# EAGLE board Mk4 Final Panel 8up 4x2 (EAGLE 9.0.1), part 22 of 23
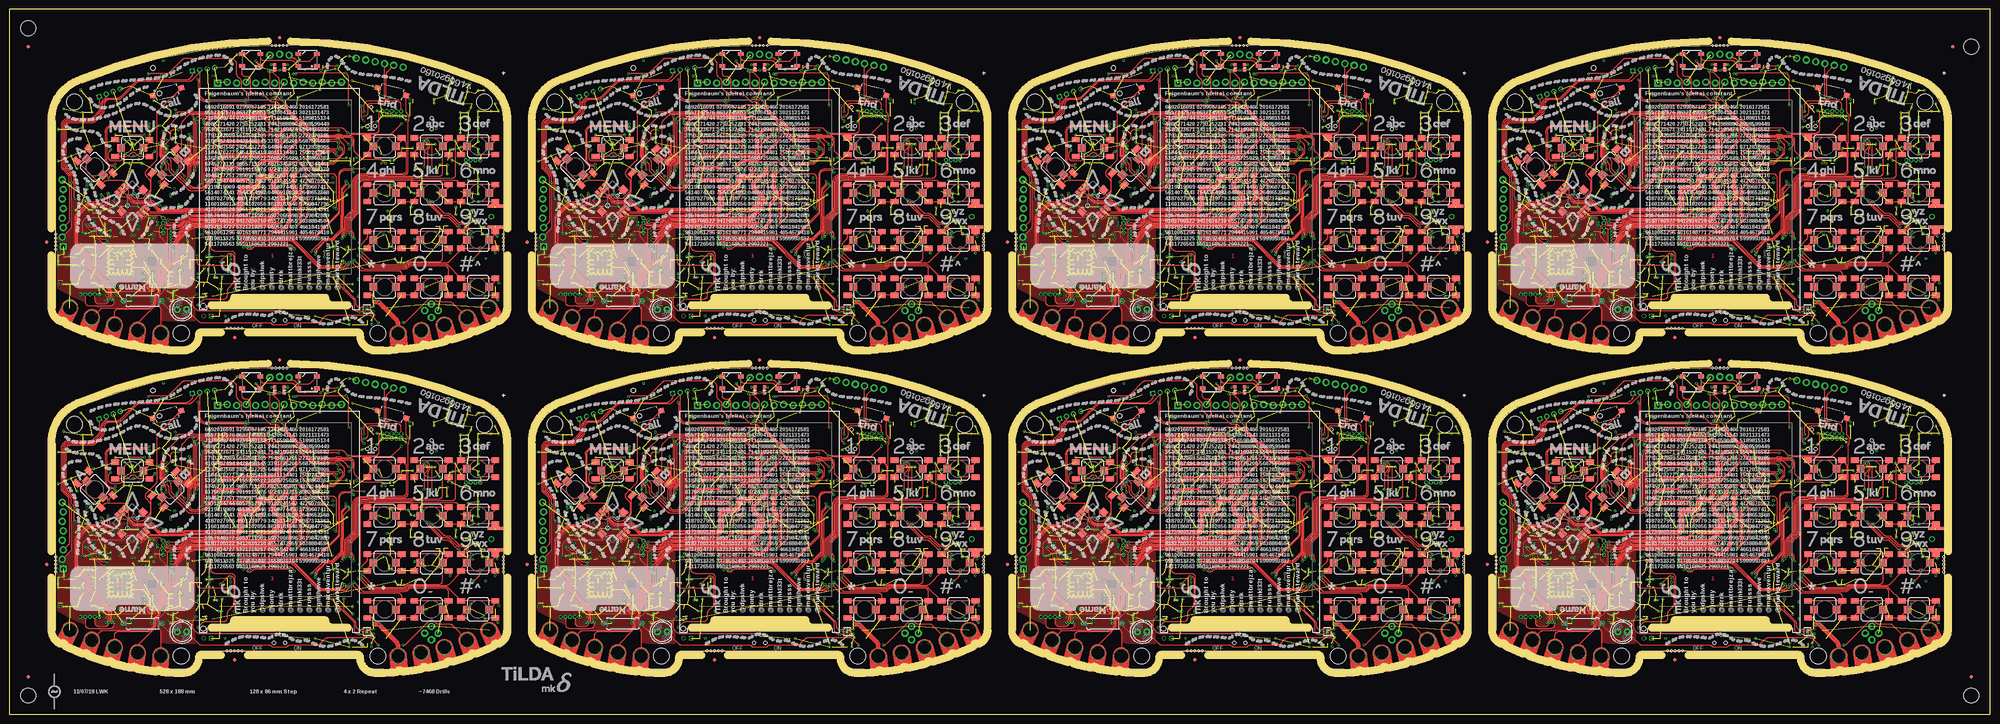
[diagram p0: board, top side]
## Tracks (layer width: path | path; a pad name or v marks a point on that pad's centre or on a via) (continued)
UART4_EXT_TX  (via drill 0.3) (continued)
  Bottom 0.15: v70.65,51.7 70.73,51.78 arc45 70.88,52.13 70.88,53.22 arc45 70.73,53.57 70.5,53.8 arc-45 70.35,54.16 70.35,55.34 arc-45 70.64,56.04 70.85,56.25 arc45 71,56.61 IC1.19 | v43.2,38.1 43.41,38.31 arc45 43.7,39.01 43.7,43.29 arc45 43.41,43.99 43.09,44.31 arc45 42.39,44.6 42.3,44.6 arc-90 41.8,45.1 41.8,45.5 arc-90 42.3,46 v42.4,46 | v20.7,55.8 20.91,55.59 arc45 21.61,55.3 32.43,55.3 arc-45 33.32,54.93 34.91,53.34 arc45 35.97,52.9 38.95,52.9 arc-90 40.2,51.65 40.2,51.2 arc45 40.36,50.82 41.61,49.56 arc-45 v41.7,49.35
  Bottom 0.3: J10.6 J10.2
UART4_EXT_TX1  (via drill 0.3)
  Top 0.15: PCB1.CH4 152.29,22.11 arc-45 153,22.4 164.86,22.4 arc45 165.57,22.69 166.26,23.38 arc45 166.55,24.09 166.55,24.95 arc-45 167.06,26.19 167.51,26.63 arc45 167.8,27.34 167.8,27.88 arc-45 168.24,28.94 arc45 168.7,30.05 168.7,31.57 arc-45 169.21,32.81 170.39,33.99 arc45 170.9,35.23 170.9,37.39 arc-45 v171.19,38.09 v171.2,38.1 | v198.65,51.7 198.75,51.6 arc-45 198.9,51.24 198.9,50.39 arc-45 198.61,49.68 198.22,49.29 arc-45 197.51,49 193.57,49 arc45 192.68,48.63 191.64,47.59 arc-45 190.94,47.3 176.74,47.3 arc45 174.19,46.3 174.18,46.29 arc-45 173.47,46 v170.4,46
  Top 0.2: J16.2 153.81,79.03 arc-45 153.52,78.32 152.94,77.74 arc45 152.5,76.68 152.5,75.42 arc-45 152.13,74.53 150.57,72.97 arc-45 149.68,72.6 143.9,72.6 arc90 142.4,71.1 142.4,60.06 arc45 142.69,59.36 144.26,57.79 arc-45 144.55,57.09 v144.55,55.8 144.55,44.13 arc-45 144.26,43.42 JP17.2
  3V3@2 0.15: v148.7,55.8 v144.55,55.8 | v169.7,49.35 169.7,47.3 170.4,46.6 v170.4,46
  Bottom 0.15: v198.65,51.7 198.73,51.78 arc45 198.88,52.13 198.88,53.22 arc45 198.73,53.57 198.5,53.8 arc-45 198.35,54.16 198.35,55.34 arc-45 198.64,56.04 198.85,56.25 arc45 199,56.61 IC20.19 | v171.2,38.1 171.41,38.31 arc45 171.7,39.01 171.7,43.29 arc45 171.41,43.99 171.09,44.31 arc45 170.39,44.6 170.3,44.6 arc-90 169.8,45.1 169.8,45.5 arc-90 170.3,46 v170.4,46 | v148.7,55.8 148.91,55.59 arc45 149.61,55.3 160.43,55.3 arc-45 161.32,54.93 162.91,53.34 arc45 163.97,52.9 166.95,52.9 arc-90 168.2,51.65 168.2,51.2 arc45 168.36,50.82 169.61,49.56 arc-45 v169.7,49.35
  Bottom 0.3: J16.6 J16.2
UART4_EXT_TX2  (via drill 0.3)
  Top 0.15: PCB2.CH4 24.29,108.11 arc-45 25,108.4 36.86,108.4 arc45 37.57,108.69 38.26,109.38 arc45 38.55,110.09 38.55,110.95 arc-45 39.06,112.19 39.51,112.63 arc45 39.8,113.34 39.8,113.88 arc-45 40.24,114.94 arc45 40.7,116.05 40.7,117.58 arc-45 41.21,118.81 42.39,119.99 arc45 42.9,121.22 42.9,123.39 arc-45 v43.19,124.09 v43.2,124.1 | v70.65,137.7 70.75,137.6 arc-45 70.9,137.24 70.9,136.39 arc-45 70.61,135.68 70.22,135.29 arc-45 69.51,135 65.57,135 arc45 64.68,134.63 63.64,133.59 arc-45 62.94,133.3 48.74,133.3 arc45 46.19,132.3 46.18,132.29 arc-45 45.47,132 v42.4,132
  Top 0.2: J26.2 25.81,165.03 arc-45 25.52,164.32 24.94,163.74 arc45 24.5,162.68 24.5,161.42 arc-45 24.13,160.53 22.57,158.97 arc-45 21.68,158.6 15.9,158.6 arc90 14.4,157.1 14.4,146.06 arc45 14.69,145.36 16.26,143.79 arc-45 16.55,143.09 v16.55,141.8 16.55,130.13 arc-45 16.26,129.42 JP26.2
  3V3@2 0.15: v20.7,141.8 v16.55,141.8 | v41.7,135.35 41.7,133.3 42.4,132.6 v42.4,132
  Bottom 0.15: v70.65,137.7 70.73,137.78 arc45 70.88,138.13 70.88,139.22 arc45 70.73,139.57 70.5,139.8 arc-45 70.35,140.16 70.35,141.34 arc-45 70.64,142.04 70.85,142.25 arc45 71,142.61 IC38.19 | v43.2,124.1 43.41,124.31 arc45 43.7,125.01 43.7,129.29 arc45 43.41,129.99 43.09,130.31 arc45 42.39,130.6 42.3,130.6 arc-90 41.8,131.1 41.8,131.5 arc-90 42.3,132 v42.4,132 | v20.7,141.8 20.91,141.59 arc45 21.61,141.3 32.43,141.3 arc-45 33.32,140.93 34.91,139.34 arc45 35.97,138.9 38.95,138.9 arc-90 40.2,137.65 40.2,137.2 arc45 40.36,136.82 41.61,135.56 arc-45 v41.7,135.35
  Bottom 0.3: J26.6 J26.2
UART4_EXT_TX3  (via drill 0.3)
  Top 0.15: PCB3.CH4 152.29,108.11 arc-45 153,108.4 164.86,108.4 arc45 165.57,108.69 166.26,109.38 arc45 166.55,110.09 166.55,110.95 arc-45 167.06,112.19 167.51,112.63 arc45 167.8,113.34 167.8,113.88 arc-45 168.24,114.94 arc45 168.7,116.05 168.7,117.58 arc-45 169.21,118.81 170.39,119.99 arc45 170.9,121.22 170.9,123.39 arc-45 v171.19,124.09 v171.2,124.1 | v198.65,137.7 198.75,137.6 arc-45 198.9,137.24 198.9,136.39 arc-45 198.61,135.68 198.22,135.29 arc-45 197.51,135 193.57,135 arc45 192.68,134.63 191.64,133.59 arc-45 190.94,133.3 176.74,133.3 arc45 174.19,132.3 174.18,132.29 arc-45 173.47,132 v170.4,132
  Top 0.2: J36.2 153.81,165.03 arc-45 153.52,164.32 152.94,163.74 arc45 152.5,162.68 152.5,161.42 arc-45 152.13,160.53 150.57,158.97 arc-45 149.68,158.6 143.9,158.6 arc90 142.4,157.1 142.4,146.06 arc45 142.69,145.36 144.26,143.79 arc-45 144.55,143.09 v144.55,141.8 144.55,130.13 arc-45 144.26,129.42 JP35.2
  3V3@2 0.15: v148.7,141.8 v144.55,141.8 | v169.7,135.35 169.7,133.3 170.4,132.6 v170.4,132
  Bottom 0.15: v198.65,137.7 198.73,137.78 arc45 198.88,138.13 198.88,139.22 arc45 198.73,139.57 198.5,139.8 arc-45 198.35,140.16 198.35,141.34 arc-45 198.64,142.04 198.85,142.25 arc45 199,142.61 IC56.19 | v171.2,124.1 171.41,124.31 arc45 171.7,125.01 171.7,129.29 arc45 171.41,129.99 171.09,130.31 arc45 170.39,130.6 170.3,130.6 arc-90 169.8,131.1 169.8,131.5 arc-90 170.3,132 v170.4,132 | v148.7,141.8 148.91,141.59 arc45 149.61,141.3 160.43,141.3 arc-45 161.32,140.93 162.91,139.34 arc45 163.97,138.9 166.95,138.9 arc-90 168.2,137.65 168.2,137.2 arc45 168.36,136.82 169.61,135.56 arc-45 v169.7,135.35
  Bottom 0.3: J36.6 J36.2
UART4_EXT_TX4  (via drill 0.3)
  Top 0.15: PCB4.CH4 280.29,22.11 arc-45 281,22.4 292.86,22.4 arc45 293.57,22.69 294.26,23.38 arc45 294.55,24.09 294.55,24.95 arc-45 295.06,26.19 295.51,26.63 arc45 295.8,27.34 295.8,27.88 arc-45 296.24,28.94 arc45 296.7,30.05 296.7,31.57 arc-45 297.21,32.81 298.39,33.99 arc45 298.9,35.23 298.9,37.39 arc-45 v299.19,38.09 v299.2,38.1 | v326.65,51.7 326.75,51.6 arc-45 326.9,51.24 326.9,50.39 arc-45 326.61,49.68 326.22,49.29 arc-45 325.51,49 321.57,49 arc45 320.68,48.63 319.64,47.59 arc-45 318.94,47.3 304.74,47.3 arc45 302.19,46.3 302.18,46.29 arc-45 301.47,46 v298.4,46
  Top 0.2: J46.2 281.81,79.03 arc-45 281.52,78.32 280.94,77.74 arc45 280.5,76.68 280.5,75.42 arc-45 280.13,74.53 278.57,72.97 arc-45 277.68,72.6 271.9,72.6 arc90 270.4,71.1 270.4,60.06 arc45 270.69,59.36 272.26,57.79 arc-45 272.55,57.09 v272.55,55.8 272.55,44.13 arc-45 272.26,43.42 JP44.2
  3V3@2 0.15: v276.7,55.8 v272.55,55.8 | v297.7,49.35 297.7,47.3 298.4,46.6 v298.4,46
  Bottom 0.15: v326.65,51.7 326.73,51.78 arc45 326.88,52.13 326.88,53.22 arc45 326.73,53.57 326.5,53.8 arc-45 326.35,54.16 326.35,55.34 arc-45 326.64,56.04 326.85,56.25 arc45 327,56.61 IC74.19 | v299.2,38.1 299.41,38.31 arc45 299.7,39.01 299.7,43.29 arc45 299.41,43.99 299.09,44.31 arc45 298.39,44.6 298.3,44.6 arc-90 297.8,45.1 297.8,45.5 arc-90 298.3,46 v298.4,46 | v276.7,55.8 276.91,55.59 arc45 277.61,55.3 288.43,55.3 arc-45 289.32,54.93 290.91,53.34 arc45 291.97,52.9 294.95,52.9 arc-90 296.2,51.65 296.2,51.2 arc45 296.36,50.82 297.61,49.56 arc-45 v297.7,49.35
  Bottom 0.3: J46.6 J46.2
UART4_EXT_TX5  (via drill 0.3)
  Top 0.15: PCB5.CH4 408.29,22.11 arc-45 409,22.4 420.86,22.4 arc45 421.57,22.69 422.26,23.38 arc45 422.55,24.09 422.55,24.95 arc-45 423.06,26.19 423.51,26.63 arc45 423.8,27.34 423.8,27.88 arc-45 424.24,28.94 arc45 424.7,30.05 424.7,31.57 arc-45 425.21,32.81 426.39,33.99 arc45 426.9,35.23 426.9,37.39 arc-45 v427.19,38.09 v427.2,38.1 | v454.65,51.7 454.75,51.6 arc-45 454.9,51.24 454.9,50.39 arc-45 454.61,49.68 454.22,49.29 arc-45 453.51,49 449.57,49 arc45 448.68,48.63 447.64,47.59 arc-45 446.94,47.3 432.74,47.3 arc45 430.19,46.3 430.18,46.29 arc-45 429.47,46 v426.4,46
  Top 0.2: J56.2 409.81,79.03 arc-45 409.52,78.32 408.94,77.74 arc45 408.5,76.68 408.5,75.42 arc-45 408.13,74.53 406.57,72.97 arc-45 405.68,72.6 399.9,72.6 arc90 398.4,71.1 398.4,60.06 arc45 398.69,59.36 400.26,57.79 arc-45 400.55,57.09 v400.55,55.8 400.55,44.13 arc-45 400.26,43.42 JP53.2
  3V3@2 0.15: v404.7,55.8 v400.55,55.8 | v425.7,49.35 425.7,47.3 426.4,46.6 v426.4,46
  Bottom 0.15: v454.65,51.7 454.73,51.78 arc45 454.88,52.13 454.88,53.22 arc45 454.73,53.57 454.5,53.8 arc-45 454.35,54.16 454.35,55.34 arc-45 454.64,56.04 454.85,56.25 arc45 455,56.61 IC92.19 | v427.2,38.1 427.41,38.31 arc45 427.7,39.01 427.7,43.29 arc45 427.41,43.99 427.09,44.31 arc45 426.39,44.6 426.3,44.6 arc-90 425.8,45.1 425.8,45.5 arc-90 426.3,46 v426.4,46 | v404.7,55.8 404.91,55.59 arc45 405.61,55.3 416.43,55.3 arc-45 417.32,54.93 418.91,53.34 arc45 419.97,52.9 422.95,52.9 arc-90 424.2,51.65 424.2,51.2 arc45 424.36,50.82 425.61,49.56 arc-45 v425.7,49.35
  Bottom 0.3: J56.6 J56.2
UART4_EXT_TX6  (via drill 0.3)
  Top 0.15: PCB6.CH4 280.29,108.11 arc-45 281,108.4 292.86,108.4 arc45 293.57,108.69 294.26,109.38 arc45 294.55,110.09 294.55,110.95 arc-45 295.06,112.19 295.51,112.63 arc45 295.8,113.34 295.8,113.88 arc-45 296.24,114.94 arc45 296.7,116.05 296.7,117.58 arc-45 297.21,118.81 298.39,119.99 arc45 298.9,121.22 298.9,123.39 arc-45 v299.19,124.09 v299.2,124.1 | v326.65,137.7 326.75,137.6 arc-45 326.9,137.24 326.9,136.39 arc-45 326.61,135.68 326.22,135.29 arc-45 325.51,135 321.57,135 arc45 320.68,134.63 319.64,133.59 arc-45 318.94,133.3 304.74,133.3 arc45 302.19,132.3 302.18,132.29 arc-45 301.47,132 v298.4,132
  Top 0.2: J66.2 281.81,165.03 arc-45 281.52,164.32 280.94,163.74 arc45 280.5,162.68 280.5,161.42 arc-45 280.13,160.53 278.57,158.97 arc-45 277.68,158.6 271.9,158.6 arc90 270.4,157.1 270.4,146.06 arc45 270.69,145.36 272.26,143.79 arc-45 272.55,143.09 v272.55,141.8 272.55,130.13 arc-45 272.26,129.42 JP62.2
  3V3@2 0.15: v276.7,141.8 v272.55,141.8 | v297.7,135.35 297.7,133.3 298.4,132.6 v298.4,132
  Bottom 0.15: v326.65,137.7 326.73,137.78 arc45 326.88,138.13 326.88,139.22 arc45 326.73,139.57 326.5,139.8 arc-45 326.35,140.16 326.35,141.34 arc-45 326.64,142.04 326.85,142.25 arc45 327,142.61 IC110.19 | v299.2,124.1 299.41,124.31 arc45 299.7,125.01 299.7,129.29 arc45 299.41,129.99 299.09,130.31 arc45 298.39,130.6 298.3,130.6 arc-90 297.8,131.1 297.8,131.5 arc-90 298.3,132 v298.4,132 | v276.7,141.8 276.91,141.59 arc45 277.61,141.3 288.43,141.3 arc-45 289.32,140.93 290.91,139.34 arc45 291.97,138.9 294.95,138.9 arc-90 296.2,137.65 296.2,137.2 arc45 296.36,136.82 297.61,135.56 arc-45 v297.7,135.35
  Bottom 0.3: J66.6 J66.2
UART4_EXT_TX7  (via drill 0.3)
  Top 0.15: PCB7.CH4 408.29,108.11 arc-45 409,108.4 420.86,108.4 arc45 421.57,108.69 422.26,109.38 arc45 422.55,110.09 422.55,110.95 arc-45 423.06,112.19 423.51,112.63 arc45 423.8,113.34 423.8,113.88 arc-45 424.24,114.94 arc45 424.7,116.05 424.7,117.58 arc-45 425.21,118.81 426.39,119.99 arc45 426.9,121.22 426.9,123.39 arc-45 v427.19,124.09 v427.2,124.1 | v454.65,137.7 454.75,137.6 arc-45 454.9,137.24 454.9,136.39 arc-45 454.61,135.68 454.22,135.29 arc-45 453.51,135 449.57,135 arc45 448.68,134.63 447.64,133.59 arc-45 446.94,133.3 432.74,133.3 arc45 430.19,132.3 430.18,132.29 arc-45 429.47,132 v426.4,132
  Top 0.2: J76.2 409.81,165.03 arc-45 409.52,164.32 408.94,163.74 arc45 408.5,162.68 408.5,161.42 arc-45 408.13,160.53 406.57,158.97 arc-45 405.68,158.6 399.9,158.6 arc90 398.4,157.1 398.4,146.06 arc45 398.69,145.36 400.26,143.79 arc-45 400.55,143.09 v400.55,141.8 400.55,130.13 arc-45 400.26,129.42 JP71.2
  3V3@2 0.15: v404.7,141.8 v400.55,141.8 | v425.7,135.35 425.7,133.3 426.4,132.6 v426.4,132
  Bottom 0.15: v454.65,137.7 454.73,137.78 arc45 454.88,138.13 454.88,139.22 arc45 454.73,139.57 454.5,139.8 arc-45 454.35,140.16 454.35,141.34 arc-45 454.64,142.04 454.85,142.25 arc45 455,142.61 IC128.19 | v427.2,124.1 427.41,124.31 arc45 427.7,125.01 427.7,129.29 arc45 427.41,129.99 427.09,130.31 arc45 426.39,130.6 426.3,130.6 arc-90 425.8,131.1 425.8,131.5 arc-90 426.3,132 v426.4,132 | v404.7,141.8 404.91,141.59 arc45 405.61,141.3 416.43,141.3 arc-45 417.32,140.93 418.91,139.34 arc45 419.97,138.9 422.95,138.9 arc-90 424.2,137.65 424.2,137.2 arc45 424.36,136.82 425.61,135.56 arc-45 v425.7,135.35
  Bottom 0.3: J76.6 J76.2
USB_D_N
  Bottom 0.2: IC7.1 87.75,85
  Bottom 0.25: 87.75,85 88.26,84.49 arc45 88.96,84.2 89.64,84.2 arc45 90.34,84.49 90.95,85.1 91.15,85.1 | IC1.93 77,74.2 arc-90 78.8,76 86.65,76 arc90 87.65,77 87.65,78.85 arc-90 89.5,80.7 91.5,80.7 arc90 92.8,82 92.8,83.75 arc90 91.4,85.15 91.2,85.15 | U1.D- 81.55,86.25 81.6,86.2 81.6,85.53 arc45 81.89,84.82 82.12,84.59 arc45 82.83,84.3 85.07,84.3 arc45 85.78,84.59 85.99,84.81 arc-45 86.7,85.1 87,85.1 87.1,85 IC7.1 | 91.2,85.15 91.15,85.1 | 91.2,85.15 arc90 91.15,85.1
USB_D_N1
  Bottom 0.2: IC23.1 215.75,85
  Bottom 0.25: 215.75,85 216.26,84.49 arc45 216.96,84.2 217.64,84.2 arc45 218.34,84.49 218.95,85.1 219.15,85.1 | IC20.93 205,74.2 arc-90 206.8,76 214.65,76 arc90 215.65,77 215.65,78.85 arc-90 217.5,80.7 219.5,80.7 arc90 220.8,82 220.8,83.75 arc90 219.4,85.15 219.2,85.15 | U2.D- 209.55,86.25 209.6,86.2 209.6,85.53 arc45 209.89,84.82 210.12,84.59 arc45 210.83,84.3 213.07,84.3 arc45 213.78,84.59 213.99,84.81 arc-45 214.7,85.1 215,85.1 215.1,85 IC23.1 | 219.2,85.15 219.15,85.1 | 219.2,85.15 arc90 219.15,85.1
USB_D_N2
  Bottom 0.2: IC41.1 87.75,171
  Bottom 0.25: 87.75,171 88.26,170.49 arc45 88.96,170.2 89.64,170.2 arc45 90.34,170.49 90.95,171.1 91.15,171.1 | IC38.93 77,160.2 arc-90 78.8,162 86.65,162 arc90 87.65,163 87.65,164.85 arc-90 89.5,166.7 91.5,166.7 arc90 92.8,168 92.8,169.75 arc90 91.4,171.15 91.2,171.15 | U7.D- 81.55,172.25 81.6,172.2 81.6,171.53 arc45 81.89,170.82 82.12,170.59 arc45 82.83,170.3 85.07,170.3 arc45 85.78,170.59 85.99,170.81 arc-45 86.7,171.1 87,171.1 87.1,171 IC41.1 | 91.2,171.15 91.15,171.1 | 91.2,171.15 arc90 91.15,171.1
USB_D_N3
  Bottom 0.2: IC59.1 215.75,171
  Bottom 0.25: 215.75,171 216.26,170.49 arc45 216.96,170.2 217.64,170.2 arc45 218.34,170.49 218.95,171.1 219.15,171.1 | IC56.93 205,160.2 arc-90 206.8,162 214.65,162 arc90 215.65,163 215.65,164.85 arc-90 217.5,166.7 219.5,166.7 arc90 220.8,168 220.8,169.75 arc90 219.4,171.15 219.2,171.15 | U10.D- 209.55,172.25 209.6,172.2 209.6,171.53 arc45 209.89,170.82 210.12,170.59 arc45 210.83,170.3 213.07,170.3 arc45 213.78,170.59 213.99,170.81 arc-45 214.7,171.1 215,171.1 215.1,171 IC59.1 | 219.2,171.15 219.15,171.1 | 219.2,171.15 arc90 219.15,171.1
USB_D_N4
  Bottom 0.2: IC77.1 343.75,85
  Bottom 0.25: 343.75,85 344.26,84.49 arc45 344.96,84.2 345.64,84.2 arc45 346.34,84.49 346.95,85.1 347.15,85.1 | IC74.93 333,74.2 arc-90 334.8,76 342.65,76 arc90 343.65,77 343.65,78.85 arc-90 345.5,80.7 347.5,80.7 arc90 348.8,82 348.8,83.75 arc90 347.4,85.15 347.2,85.15 | U13.D- 337.55,86.25 337.6,86.2 337.6,85.53 arc45 337.89,84.82 338.12,84.59 arc45 338.83,84.3 341.07,84.3 arc45 341.78,84.59 341.99,84.81 arc-45 342.7,85.1 343,85.1 343.1,85 IC77.1 | 347.2,85.15 347.15,85.1 | 347.2,85.15 arc90 347.15,85.1
USB_D_N5
  Bottom 0.2: IC95.1 471.75,85
  Bottom 0.25: 471.75,85 472.26,84.49 arc45 472.96,84.2 473.64,84.2 arc45 474.34,84.49 474.95,85.1 475.15,85.1 | IC92.93 461,74.2 arc-90 462.8,76 470.65,76 arc90 471.65,77 471.65,78.85 arc-90 473.5,80.7 475.5,80.7 arc90 476.8,82 476.8,83.75 arc90 475.4,85.15 475.2,85.15 | U16.D- 465.55,86.25 465.6,86.2 465.6,85.53 arc45 465.89,84.82 466.12,84.59 arc45 466.83,84.3 469.07,84.3 arc45 469.78,84.59 469.99,84.81 arc-45 470.7,85.1 471,85.1 471.1,85 IC95.1 | 475.2,85.15 475.15,85.1 | 475.2,85.15 arc90 475.15,85.1
USB_D_N6
  Bottom 0.2: IC113.1 343.75,171
  Bottom 0.25: 343.75,171 344.26,170.49 arc45 344.96,170.2 345.64,170.2 arc45 346.34,170.49 346.95,171.1 347.15,171.1 | IC110.93 333,160.2 arc-90 334.8,162 342.65,162 arc90 343.65,163 343.65,164.85 arc-90 345.5,166.7 347.5,166.7 arc90 348.8,168 348.8,169.75 arc90 347.4,171.15 347.2,171.15 | U19.D- 337.55,172.25 337.6,172.2 337.6,171.53 arc45 337.89,170.82 338.12,170.59 arc45 338.83,170.3 341.07,170.3 arc45 341.78,170.59 341.99,170.81 arc-45 342.7,171.1 343,171.1 343.1,171 IC113.1 | 347.2,171.15 347.15,171.1 | 347.2,171.15 arc90 347.15,171.1
USB_D_N7
  Bottom 0.2: IC131.1 471.75,171
  Bottom 0.25: 471.75,171 472.26,170.49 arc45 472.96,170.2 473.64,170.2 arc45 474.34,170.49 474.95,171.1 475.15,171.1 | IC128.93 461,160.2 arc-90 462.8,162 470.65,162 arc90 471.65,163 471.65,164.85 arc-90 473.5,166.7 475.5,166.7 arc90 476.8,168 476.8,169.75 arc90 475.4,171.15 475.2,171.15 | U22.D- 465.55,172.25 465.6,172.2 465.6,171.53 arc45 465.89,170.82 466.12,170.59 arc45 466.83,170.3 469.07,170.3 arc45 469.78,170.59 469.99,170.81 arc-45 470.7,171.1 471,171.1 471.1,171 IC131.1 | 475.2,171.15 475.15,171.1 | 475.2,171.15 arc90 475.15,171.1
USB_D_P
  Bottom 0.2: IC7.2 89.35,85.5 89.5,85.65
  Bottom 0.25: 89.5,85.65 91.1,85.65 91.2,85.55 91.4,85.55 arc-90 93.2,83.75 93.2,82 arc-90 91.5,80.3 89.5,80.3 arc90 88.05,78.85 88.05,77 arc-90 86.65,75.6 78.8,75.6 arc90 77.4,74.2 IC1.94 | U1.D+ 82.2,86.4 82,86.2 82,85.69 arc45 82.29,84.99 arc45 83,84.7 84.9,84.7 arc45 85.61,84.99 85.82,85.21 arc-45 86.53,85.5 IC7.2
USB_D_P1
  Bottom 0.2: IC23.2 217.35,85.5 217.5,85.65
  Bottom 0.25: 217.5,85.65 219.1,85.65 219.2,85.55 219.4,85.55 arc-90 221.2,83.75 221.2,82 arc-90 219.5,80.3 217.5,80.3 arc90 216.05,78.85 216.05,77 arc-90 214.65,75.6 206.8,75.6 arc90 205.4,74.2 IC20.94 | U2.D+ 210.2,86.4 210,86.2 210,85.69 arc45 210.29,84.99 arc45 211,84.7 212.9,84.7 arc45 213.61,84.99 213.82,85.21 arc-45 214.53,85.5 IC23.2
USB_D_P2
  Bottom 0.2: IC41.2 89.35,171.5 89.5,171.65
  Bottom 0.25: 89.5,171.65 91.1,171.65 91.2,171.55 91.4,171.55 arc-90 93.2,169.75 93.2,168 arc-90 91.5,166.3 89.5,166.3 arc90 88.05,164.85 88.05,163 arc-90 86.65,161.6 78.8,161.6 arc90 77.4,160.2 IC38.94 | U7.D+ 82.2,172.4 82,172.2 82,171.69 arc45 82.29,170.99 arc45 83,170.7 84.9,170.7 arc45 85.61,170.99 85.82,171.21 arc-45 86.53,171.5 IC41.2
USB_D_P3
  Bottom 0.2: IC59.2 217.35,171.5 217.5,171.65
  Bottom 0.25: 217.5,171.65 219.1,171.65 219.2,171.55 219.4,171.55 arc-90 221.2,169.75 221.2,168 arc-90 219.5,166.3 217.5,166.3 arc90 216.05,164.85 216.05,163 arc-90 214.65,161.6 206.8,161.6 arc90 205.4,160.2 IC56.94 | U10.D+ 210.2,172.4 210,172.2 210,171.69 arc45 210.29,170.99 arc45 211,170.7 212.9,170.7 arc45 213.61,170.99 213.82,171.21 arc-45 214.53,171.5 IC59.2
USB_D_P4
  Bottom 0.2: IC77.2 345.35,85.5 345.5,85.65
  Bottom 0.25: 345.5,85.65 347.1,85.65 347.2,85.55 347.4,85.55 arc-90 349.2,83.75 349.2,82 arc-90 347.5,80.3 345.5,80.3 arc90 344.05,78.85 344.05,77 arc-90 342.65,75.6 334.8,75.6 arc90 333.4,74.2 IC74.94 | U13.D+ 338.2,86.4 338,86.2 338,85.69 arc45 338.29,84.99 arc45 339,84.7 340.9,84.7 arc45 341.61,84.99 341.82,85.21 arc-45 342.53,85.5 IC77.2
USB_D_P5
  Bottom 0.2: IC95.2 473.35,85.5 473.5,85.65
  Bottom 0.25: 473.5,85.65 475.1,85.65 475.2,85.55 475.4,85.55 arc-90 477.2,83.75 477.2,82 arc-90 475.5,80.3 473.5,80.3 arc90 472.05,78.85 472.05,77 arc-90 470.65,75.6 462.8,75.6 arc90 461.4,74.2 IC92.94 | U16.D+ 466.2,86.4 466,86.2 466,85.69 arc45 466.29,84.99 arc45 467,84.7 468.9,84.7 arc45 469.61,84.99 469.82,85.21 arc-45 470.53,85.5 IC95.2
USB_D_P6
  Bottom 0.2: IC113.2 345.35,171.5 345.5,171.65
  Bottom 0.25: 345.5,171.65 347.1,171.65 347.2,171.55 347.4,171.55 arc-90 349.2,169.75 349.2,168 arc-90 347.5,166.3 345.5,166.3 arc90 344.05,164.85 344.05,163 arc-90 342.65,161.6 334.8,161.6 arc90 333.4,160.2 IC110.94 | U19.D+ 338.2,172.4 338,172.2 338,171.69 arc45 338.29,170.99 arc45 339,170.7 340.9,170.7 arc45 341.61,170.99 341.82,171.21 arc-45 342.53,171.5 IC113.2
USB_D_P7
  Bottom 0.2: IC131.2 473.35,171.5 473.5,171.65
  Bottom 0.25: 473.5,171.65 475.1,171.65 475.2,171.55 475.4,171.55 arc-90 477.2,169.75 477.2,168 arc-90 475.5,166.3 473.5,166.3 arc90 472.05,164.85 472.05,163 arc-90 470.65,161.6 462.8,161.6 arc90 461.4,160.2 IC128.94 | U22.D+ 466.2,172.4 466,172.2 466,171.69 arc45 466.29,170.99 arc45 467,170.7 468.9,170.7 arc45 469.61,170.99 469.82,171.21 arc-45 470.53,171.5 IC131.2
USB_ID
  Bottom 0.15: TP6.TP 90.46,87.54 arc-45 90.75,86.84 R8.2
USB_ID1
  Bottom 0.15: TP25.TP 218.46,87.54 arc-45 218.75,86.84 R92.2
USB_ID2
  Bottom 0.15: TP44.TP 90.46,173.54 arc-45 90.75,172.84 R170.2
USB_ID3
  Bottom 0.15: TP63.TP 218.46,173.54 arc-45 218.75,172.84 R248.2
USB_ID4
  Bottom 0.15: TP82.TP 346.46,87.54 arc-45 346.75,86.84 R326.2
USB_ID5
  Bottom 0.15: TP101.TP 474.46,87.54 arc-45 474.75,86.84 R404.2
USB_ID6
  Bottom 0.15: TP120.TP 346.46,173.54 arc-45 346.75,172.84 R482.2
USB_ID7
  Bottom 0.15: TP139.TP 474.46,173.54 arc-45 474.75,172.84 R560.2
USB_ID_R  (via drill 0.3)
  Top 0.15: v83,85.7 84.01,86.71 arc-45 84.71,87 v87.5,87
  Bottom 0.15: v87.5,87 87.65,87 88.65,86 IC7.4 89.42,86.5 R8.1 | U1.ID 82.85,85.85 v83,85.7
USB_ID_R1  (via drill 0.3)
  Top 0.15: v211,85.7 212.01,86.71 arc-45 212.71,87 v215.5,87
  Bottom 0.15: v215.5,87 215.65,87 216.65,86 IC23.4 217.43,86.5 R92.1 | U2.ID 210.85,85.85 v211,85.7
USB_ID_R2  (via drill 0.3)
  Top 0.15: v83,171.7 84.01,172.71 arc-45 84.71,173 v87.5,173
  Bottom 0.15: v87.5,173 87.65,173 88.65,172 IC41.4 89.42,172.5 R170.1 | U7.ID 82.85,171.85 v83,171.7
USB_ID_R3  (via drill 0.3)
  Top 0.15: v211,171.7 212.01,172.71 arc-45 212.71,173 v215.5,173
  Bottom 0.15: v215.5,173 215.65,173 216.65,172 IC59.4 217.43,172.5 R248.1 | U10.ID 210.85,171.85 v211,171.7
USB_ID_R4  (via drill 0.3)
  Top 0.15: v339,85.7 340.01,86.71 arc-45 340.71,87 v343.5,87
  Bottom 0.15: v343.5,87 343.65,87 344.65,86 IC77.4 345.43,86.5 R326.1 | U13.ID 338.85,85.85 v339,85.7
USB_ID_R5  (via drill 0.3)
  Top 0.15: v467,85.7 468.01,86.71 arc-45 468.71,87 v471.5,87
  Bottom 0.15: v471.5,87 471.65,87 472.65,86 IC95.4 473.43,86.5 R404.1 | U16.ID 466.85,85.85 v467,85.7
USB_ID_R6  (via drill 0.3)
  Top 0.15: v339,171.7 340.01,172.71 arc-45 340.71,173 v343.5,173
  Bottom 0.15: v343.5,173 343.65,173 344.65,172 IC113.4 345.43,172.5 R482.1 | U19.ID 338.85,171.85 v339,171.7
USB_ID_R7  (via drill 0.3)
  Top 0.15: v467,171.7 468.01,172.71 arc-45 468.71,173 v471.5,173
  Bottom 0.15: v471.5,173 471.65,173 472.65,172 IC131.4 473.43,172.5 R560.1 | U22.ID 466.85,171.85 v467,171.7
USB_SHIELD
  Bottom 0.3: U1.SHIELD@5 86.1,87.91 arc45 86.39,88.61 U1.SHIELD@2 | U1.SHIELD@2 83.84,89.72 U1.SHIELD@1 81.59,89.91 81.41,90.09 U1.SHIELD@0 80.96,90.28 U1.SHIELD@3 79.12,89.57 U1.SHIELD | R7.1 88.62,90.5 C20.2 87.04,90.38 U1.SHIELD@2
USB_SHIELD1
  Bottom 0.3: U2.SHIELD@5 214.1,87.91 arc45 214.39,88.61 U2.SHIELD@2 | U2.SHIELD@2 211.84,89.72 U2.SHIELD@1 209.59,89.91 209.41,90.09 U2.SHIELD@0 208.96,90.28 U2.SHIELD@3 207.12,89.57 U2.SHIELD | R91.1 216.62,90.5 C130.2 215.04,90.38 U2.SHIELD@2
USB_SHIELD2
  Bottom 0.3: U7.SHIELD@5 86.1,173.91 arc45 86.39,174.61 U7.SHIELD@2 | U7.SHIELD@2 83.84,175.72 U7.SHIELD@1 81.59,175.91 81.41,176.09 U7.SHIELD@0 80.96,176.28 U7.SHIELD@3 79.12,175.57 U7.SHIELD | R169.1 88.62,176.5 C238.2 87.04,176.38 U7.SHIELD@2
USB_SHIELD3
  Bottom 0.3: U10.SHIELD@5 214.1,173.91 arc45 214.39,174.61 U10.SHIELD@2 | U10.SHIELD@2 211.84,175.72 U10.SHIELD@1 209.59,175.91 209.41,176.09 U10.SHIELD@0 208.96,176.28 U10.SHIELD@3 207.12,175.57 U10.SHIELD | R247.1 216.62,176.5 C346.2 215.04,176.38 U10.SHIELD@2
USB_SHIELD4
  Bottom 0.3: U13.SHIELD@5 342.1,87.91 arc45 342.39,88.61 U13.SHIELD@2 | U13.SHIELD@2 339.84,89.72 U13.SHIELD@1 337.59,89.91 337.41,90.09 U13.SHIELD@0 336.96,90.28 U13.SHIELD@3 335.12,89.57 U13.SHIELD | R325.1 344.62,90.5 C454.2 343.04,90.38 U13.SHIELD@2
USB_SHIELD5
  Bottom 0.3: U16.SHIELD@5 470.1,87.91 arc45 470.39,88.61 U16.SHIELD@2 | U16.SHIELD@2 467.84,89.72 U16.SHIELD@1 465.59,89.91 465.41,90.09 U16.SHIELD@0 464.96,90.28 U16.SHIELD@3 463.12,89.57 U16.SHIELD | R403.1 472.62,90.5 C562.2 471.04,90.38 U16.SHIELD@2
USB_SHIELD6
  Bottom 0.3: U19.SHIELD@5 342.1,173.91 arc45 342.39,174.61 U19.SHIELD@2 | U19.SHIELD@2 339.84,175.72 U19.SHIELD@1 337.59,175.91 337.41,176.09 U19.SHIELD@0 336.96,176.28 U19.SHIELD@3 335.12,175.57 U19.SHIELD | R481.1 344.62,176.5 C670.2 343.04,176.38 U19.SHIELD@2
USB_SHIELD7
  Bottom 0.3: U22.SHIELD@5 470.1,173.91 arc45 470.39,174.61 U22.SHIELD@2 | U22.SHIELD@2 467.84,175.72 U22.SHIELD@1 465.59,175.91 465.41,176.09 U22.SHIELD@0 464.96,176.28 U22.SHIELD@3 463.12,175.57 U22.SHIELD | R559.1 472.62,176.5 C778.2 471.04,176.38 U22.SHIELD@2